# KiCad board LightRail_LPO_1.6T.kicad_pcb (continued)
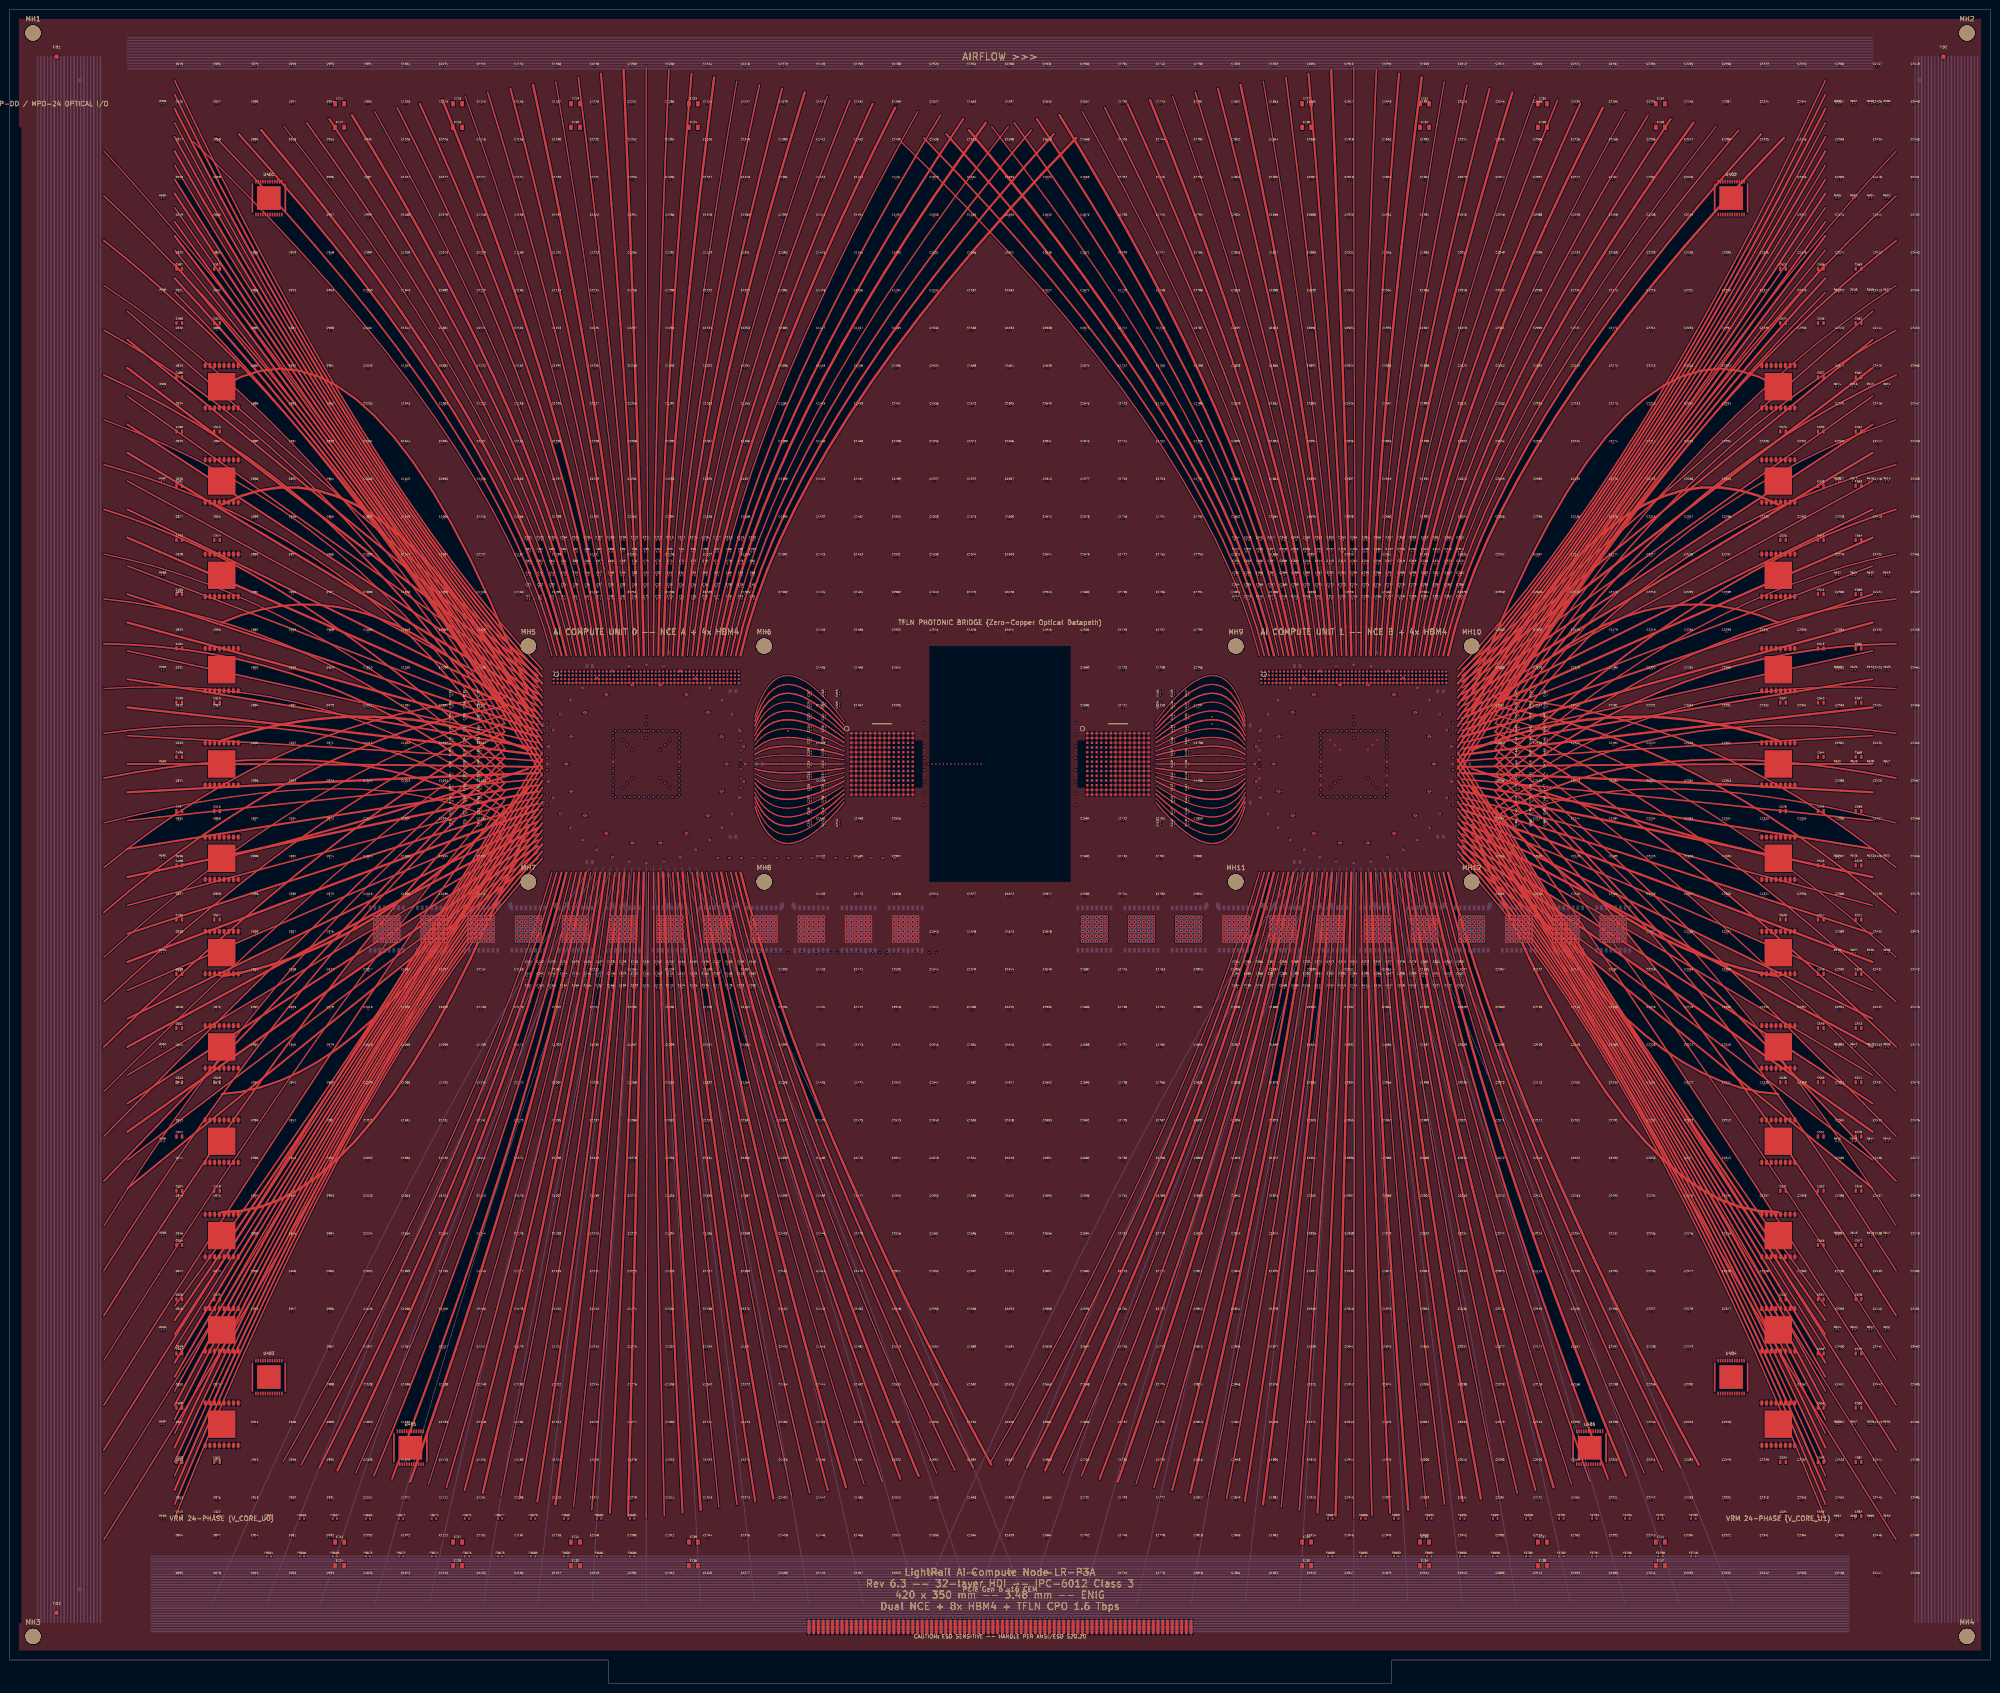
[diagram p0: board, top side]
## Placement (name value [footprint] x y rotation side) (continued)
J49  QSFP-DD  [QSFP_DD_Cage]  8 137.8 0 top
J50  QSFP-DD  [QSFP_DD_Cage]  8 133 0 top
J51  QSFP-DD  [QSFP_DD_Cage]  8 128.2 0 top
J52  QSFP-DD  [QSFP_DD_Cage]  8 123.4 0 top
J53  QSFP-DD  [QSFP_DD_Cage]  8 118.6 0 top
J54  QSFP-DD  [QSFP_DD_Cage]  8 113.8 0 top
J55  QSFP-DD  [QSFP_DD_Cage]  8 109 0 top
J56  QSFP-DD  [QSFP_DD_Cage]  8 104.2 0 top
J57  QSFP-DD  [QSFP_DD_Cage]  8 99.4 0 top
J58  QSFP-DD  [QSFP_DD_Cage]  8 94.6 0 top
J59  QSFP-DD  [QSFP_DD_Cage]  8 89.8 0 top
J60  QSFP-DD  [QSFP_DD_Cage]  8 85 0 top
J61  QSFP-DD  [QSFP_DD_Cage]  8 80.2 0 top
J62  QSFP-DD  [QSFP_DD_Cage]  8 75.4 0 top
J63  QSFP-DD  [QSFP_DD_Cage]  8 70.6 0 top
J64  QSFP-DD  [QSFP_DD_Cage]  8 65.8 0 top
J65  QSFP-DD  [QSFP_DD_Cage]  8 61 0 top
J66  QSFP-DD  [QSFP_DD_Cage]  8 56.2 0 top
J67  QSFP-DD  [QSFP_DD_Cage]  8 51.4 0 top
J68  QSFP-DD  [QSFP_DD_Cage]  8 46.6 0 top
J69  QSFP-DD  [QSFP_DD_Cage]  8 41.8 0 top
J70  QSFP-DD  [QSFP_DD_Cage]  8 37 0 top
J71  QSFP-DD  [QSFP_DD_Cage]  8 32.2 0 top
J72  QSFP-DD  [QSFP_DD_Cage]  8 27.4 0 top
J73  QSFP-DD  [QSFP_DD_Cage]  8 22.6 0 top
MH1  MountingHole  [MountingHole_3.2mm_M3]  5 350 0 top
MH2  MountingHole  [MountingHole_3.2mm_M3]  415 350 0 top
MH3  MountingHole  [MountingHole_3.2mm_M3]  5 10 0 top
MH4  MountingHole  [MountingHole_3.2mm_M3]  415 10 0 top
MH5  MountingHole  [MountingHole_3.2mm_M3]  110 220 0 top
MH6  MountingHole  [MountingHole_3.2mm_M3]  160 220 0 top
MH7  MountingHole  [MountingHole_3.2mm_M3]  110 170 0 top
MH8  MountingHole  [MountingHole_3.2mm_M3]  160 170 0 top
MH9  MountingHole  [MountingHole_3.2mm_M3]  260 220 0 top
MH10  MountingHole  [MountingHole_3.2mm_M3]  310 220 0 top
MH11  MountingHole  [MountingHole_3.2mm_M3]  260 170 0 top
MH12  MountingHole  [MountingHole_3.2mm_M3]  310 170 0 top
R583  1.0x0.5  [R_passive]  32.5 335 0 top
R584  1.0x0.5  [R_passive]  32.5 315 0 top
R585  1.0x0.5  [R_passive]  32.5 295 0 top
R586  1.0x0.5  [R_passive]  32.5 275 0 top
R587  1.0x0.5  [R_passive]  32.5 255 0 top
R588  1.0x0.5  [R_passive]  32.5 235 0 top
R589  1.0x0.5  [R_passive]  32.5 215 0 top
R590  1.0x0.5  [R_passive]  32.5 195 0 top
R591  1.0x0.5  [R_passive]  32.5 175 0 top
R592  1.0x0.5  [R_passive]  32.5 155 0 top
R593  1.0x0.5  [R_passive]  32.5 135 0 top
R594  1.0x0.5  [R_passive]  32.5 115 0 top
R595  1.0x0.5  [R_passive]  32.5 95 0 top
R596  1.0x0.5  [R_passive]  32.5 75 0 top
R597  1.0x0.5  [R_passive]  32.5 55 0 top
R598  1.0x0.5  [R_passive]  32.5 35 0 top
R599  1.0x0.5  [R_passive]  398 335 0 top
R600  1.0x0.5  [R_passive]  394.5 335 0 top
R601  1.0x0.5  [R_passive]  391 335 0 top
R602  1.0x0.5  [R_passive]  387.5 335 0 top
R603  1.0x0.5  [R_passive]  398 315 0 top
R604  1.0x0.5  [R_passive]  394.5 315 0 top
R605  1.0x0.5  [R_passive]  391 315 0 top
R606  1.0x0.5  [R_passive]  387.5 315 0 top
R607  1.0x0.5  [R_passive]  398 295 0 top
R608  1.0x0.5  [R_passive]  394.5 295 0 top
R609  1.0x0.5  [R_passive]  391 295 0 top
R610  1.0x0.5  [R_passive]  387.5 295 0 top
R611  1.0x0.5  [R_passive]  398 275 0 top
R612  1.0x0.5  [R_passive]  394.5 275 0 top
R613  1.0x0.5  [R_passive]  391 275 0 top
R614  1.0x0.5  [R_passive]  387.5 275 0 top
R615  1.0x0.5  [R_passive]  398 255 0 top
R616  1.0x0.5  [R_passive]  394.5 255 0 top
R617  1.0x0.5  [R_passive]  391 255 0 top
R618  1.0x0.5  [R_passive]  387.5 255 0 top
R619  1.0x0.5  [R_passive]  398 235 0 top
R620  1.0x0.5  [R_passive]  394.5 235 0 top
R621  1.0x0.5  [R_passive]  391 235 0 top
R622  1.0x0.5  [R_passive]  387.5 235 0 top
R623  1.0x0.5  [R_passive]  398 215 0 top
R624  1.0x0.5  [R_passive]  394.5 215 0 top
R625  1.0x0.5  [R_passive]  391 215 0 top
R626  1.0x0.5  [R_passive]  387.5 215 0 top
R627  1.0x0.5  [R_passive]  398 195 0 top
R628  1.0x0.5  [R_passive]  394.5 195 0 top
R629  1.0x0.5  [R_passive]  391 195 0 top
R630  1.0x0.5  [R_passive]  387.5 195 0 top
R631  1.0x0.5  [R_passive]  398 175 0 top
R632  1.0x0.5  [R_passive]  394.5 175 0 top
R633  1.0x0.5  [R_passive]  391 175 0 top
R634  1.0x0.5  [R_passive]  387.5 175 0 top
R635  1.0x0.5  [R_passive]  398 155 0 top
R636  1.0x0.5  [R_passive]  394.5 155 0 top
R637  1.0x0.5  [R_passive]  391 155 0 top
R638  1.0x0.5  [R_passive]  387.5 155 0 top
R639  1.0x0.5  [R_passive]  398 135 0 top
R640  1.0x0.5  [R_passive]  394.5 135 0 top
R641  1.0x0.5  [R_passive]  391 135 0 top
R642  1.0x0.5  [R_passive]  387.5 135 0 top
R643  1.0x0.5  [R_passive]  398 115 0 top
R644  1.0x0.5  [R_passive]  394.5 115 0 top
R645  1.0x0.5  [R_passive]  391 115 0 top
R646  1.0x0.5  [R_passive]  387.5 115 0 top
R647  1.0x0.5  [R_passive]  398 95 0 top
R648  1.0x0.5  [R_passive]  394.5 95 0 top
R649  1.0x0.5  [R_passive]  391 95 0 top
R650  1.0x0.5  [R_passive]  387.5 95 0 top
R651  1.0x0.5  [R_passive]  398 75 0 top
R652  1.0x0.5  [R_passive]  394.5 75 0 top
R653  1.0x0.5  [R_passive]  391 75 0 top
R654  1.0x0.5  [R_passive]  387.5 75 0 top
R655  1.0x0.5  [R_passive]  398 55 0 top
R656  1.0x0.5  [R_passive]  394.5 55 0 top
R657  1.0x0.5  [R_passive]  391 55 0 top
R658  1.0x0.5  [R_passive]  387.5 55 0 top
R659  1.0x0.5  [R_passive]  398 35 0 top
R660  1.0x0.5  [R_passive]  394.5 35 0 top
R661  1.0x0.5  [R_passive]  391 35 0 top
R662  1.0x0.5  [R_passive]  387.5 35 0 top
U101  NCE_BGA2500_HBM4  [NCE_BGA2500_40x40mm]  135 195 0 top
U102  TFLN_PIC_8CH_200G  [TFLN_PIC_17x17mm]  185 195 0 top
U103  HBM4_12Hi_48GB  [HBM4_Stack_11x11mm]  105 220 0 top
U104  HBM4_12Hi_48GB  [HBM4_Stack_11x11mm]  105 170 0 top
U105  HBM4_12Hi_48GB  [HBM4_Stack_11x11mm]  165 220 0 top
U106  HBM4_12Hi_48GB  [HBM4_Stack_11x11mm]  165 170 0 top
U201  NCE_BGA2500_HBM4  [NCE_BGA2500_40x40mm]  285 195 0 top
U202  TFLN_PIC_8CH_200G  [TFLN_PIC_17x17mm]  235 195 0 top
U203  HBM4_12Hi_48GB  [HBM4_Stack_11x11mm]  255 220 0 top
U204  HBM4_12Hi_48GB  [HBM4_Stack_11x11mm]  255 170 0 top
U205  HBM4_12Hi_48GB  [HBM4_Stack_11x11mm]  315 220 0 top
U206  HBM4_12Hi_48GB  [HBM4_Stack_11x11mm]  315 170 0 top
U302  ISL99390  [DrMOS_PowerPAK_8x8mm]  45 275 0 top
U303  ISL99390  [DrMOS_PowerPAK_8x8mm]  45 255 0 top
U304  ISL99390  [DrMOS_PowerPAK_8x8mm]  45 235 0 top
U305  ISL99390  [DrMOS_PowerPAK_8x8mm]  45 215 0 top
U306  ISL99390  [DrMOS_PowerPAK_8x8mm]  45 195 0 top
U307  ISL99390  [DrMOS_PowerPAK_8x8mm]  45 175 0 top
U308  ISL99390  [DrMOS_PowerPAK_8x8mm]  45 155 0 top
U309  ISL99390  [DrMOS_PowerPAK_8x8mm]  45 135 0 top
U310  ISL99390  [DrMOS_PowerPAK_8x8mm]  45 115 0 top
U311  ISL99390  [DrMOS_PowerPAK_8x8mm]  45 95 0 top
U312  ISL99390  [DrMOS_PowerPAK_8x8mm]  45 75 0 top
U313  ISL99390  [DrMOS_PowerPAK_8x8mm]  45 55 0 top
U314  ISL99390  [DrMOS_PowerPAK_8x8mm]  375 275 0 top
U315  ISL99390  [DrMOS_PowerPAK_8x8mm]  375 255 0 top
U316  ISL99390  [DrMOS_PowerPAK_8x8mm]  375 235 0 top
U317  ISL99390  [DrMOS_PowerPAK_8x8mm]  375 215 0 top
U318  ISL99390  [DrMOS_PowerPAK_8x8mm]  375 195 0 top
U319  ISL99390  [DrMOS_PowerPAK_8x8mm]  375 175 0 top
U320  ISL99390  [DrMOS_PowerPAK_8x8mm]  375 155 0 top
U321  ISL99390  [DrMOS_PowerPAK_8x8mm]  375 135 0 top
U322  ISL99390  [DrMOS_PowerPAK_8x8mm]  375 115 0 top
U323  ISL99390  [DrMOS_PowerPAK_8x8mm]  375 95 0 top
U324  ISL99390  [DrMOS_PowerPAK_8x8mm]  375 75 0 top
U325  ISL99390  [DrMOS_PowerPAK_8x8mm]  375 55 0 top
U326  ISL99390  [DrMOS_PowerPAK_8x8mm#2]  80 160 0 bottom
U327  ISL99390  [DrMOS_PowerPAK_8x8mm#2]  90 160 0 bottom
U328  ISL99390  [DrMOS_PowerPAK_8x8mm#2]  100 160 0 bottom
U329  ISL99390  [DrMOS_PowerPAK_8x8mm#2]  110 160 0 bottom
U330  ISL99390  [DrMOS_PowerPAK_8x8mm#2]  120 160 0 bottom
U331  ISL99390  [DrMOS_PowerPAK_8x8mm#2]  130 160 0 bottom
U332  ISL99390  [DrMOS_PowerPAK_8x8mm#2]  140 160 0 bottom
U333  ISL99390  [DrMOS_PowerPAK_8x8mm#2]  150 160 0 bottom
U334  ISL99390  [DrMOS_PowerPAK_8x8mm#2]  160 160 0 bottom
U335  ISL99390  [DrMOS_PowerPAK_8x8mm#2]  170 160 0 bottom
U336  ISL99390  [DrMOS_PowerPAK_8x8mm#2]  180 160 0 bottom
U337  ISL99390  [DrMOS_PowerPAK_8x8mm#2]  190 160 0 bottom
U338  ISL99390  [DrMOS_PowerPAK_8x8mm#2]  230 160 0 bottom
U339  ISL99390  [DrMOS_PowerPAK_8x8mm#2]  240 160 0 bottom
U340  ISL99390  [DrMOS_PowerPAK_8x8mm#2]  250 160 0 bottom
U341  ISL99390  [DrMOS_PowerPAK_8x8mm#2]  260 160 0 bottom
U342  ISL99390  [DrMOS_PowerPAK_8x8mm#2]  270 160 0 bottom
U343  ISL99390  [DrMOS_PowerPAK_8x8mm#2]  280 160 0 bottom
U344  ISL99390  [DrMOS_PowerPAK_8x8mm#2]  290 160 0 bottom
U345  ISL99390  [DrMOS_PowerPAK_8x8mm#2]  300 160 0 bottom
U346  ISL99390  [DrMOS_PowerPAK_8x8mm#2]  310 160 0 bottom
U347  ISL99390  [DrMOS_PowerPAK_8x8mm#2]  320 160 0 bottom
U348  ISL99390  [DrMOS_PowerPAK_8x8mm#2]  330 160 0 bottom
U349  ISL99390  [DrMOS_PowerPAK_8x8mm#2]  340 160 0 bottom
U401  ISL69260  [QFN-48]  55 315 0 top
U402  ISL69260  [QFN-48]  365 315 0 top
U403  ISL69260  [QFN-48]  55 65 0 top
U404  ISL69260  [QFN-48]  365 65 0 top
U405  ISL69260  [QFN-48]  85 50 0 top
U406  ISL69260  [QFN-48]  335 50 0 top

## Library data of the parts
U103-U106 U203-U206 = -: DNP: DNP

## Footprints (pads in the part's own frame, mm; a bottom-side part is the same pattern mirrored in y, then rotated)
C_0402
  rect 0.3x0.3 smd: 1(-0.3,0) 2(0.3,0)
C_0805
  rect 0.6x0.8 smd: 1(-0.6,0) 2(0.6,0)
C_01005
  rect 0.14x0.14 smd rot 140: 1(-0.12,0) 2(0.12,0)
C_01005#2
  rect 0.14x0.14 smd: 1(-0.12,0) 2(0.12,0)
C_01005#3
  rect 0.14x0.14 smd rot 170: 1(-0.12,0) 2(0.12,0)
C_01005#4
  rect 0.14x0.14 smd rot 160: 1(-0.12,0) 2(0.12,0)
C_01005#5
  rect 0.14x0.14 smd rot 150: 1(-0.12,0) 2(0.12,0)
C_01005#6
  rect 0.14x0.14 smd rot 130: 1(-0.12,0) 2(0.12,0)
C_01005#7
  rect 0.14x0.14 smd rot 120: 1(-0.12,0) 2(0.12,0)
C_01005#8
  rect 0.14x0.14 smd rot 110: 1(-0.12,0) 2(0.12,0)
C_01005#9
  rect 0.14x0.14 smd rot 100: 1(-0.12,0) 2(0.12,0)
C_01005#10
  rect 0.14x0.14 smd rot 80: 1(-0.12,0) 2(0.12,0)
C_01005#11
  rect 0.14x0.14 smd rot 70: 1(-0.12,0) 2(0.12,0)
C_01005#12
  rect 0.14x0.14 smd rot 60: 1(-0.12,0) 2(0.12,0)
C_01005#13
  rect 0.14x0.14 smd rot 50: 1(-0.12,0) 2(0.12,0)
C_01005#14
  rect 0.14x0.14 smd rot 40: 1(-0.12,0) 2(0.12,0)
C_01005#15
  rect 0.14x0.14 smd rot 30: 1(-0.12,0) 2(0.12,0)
C_01005#16
  rect 0.14x0.14 smd rot 20: 1(-0.12,0) 2(0.12,0)
C_01005#17
  rect 0.14x0.14 smd rot 10: 1(-0.12,0) 2(0.12,0)
C_passive
  rect 0.35x0.25 smd: 1(-0.3,0) 2(0.3,0)
C_passive#5
  rect 0.25x0.35 smd: 1(-0.3,0) 2(0.3,0)
C_passive#2
  rect 0.15x0.21 smd: 1(-0.18,0) 2(0.18,0)
C_passive#3
  rect 0.5x0.875 smd: 1(-0.6,0) 2(0.6,0)
C_passive#4
  rect 0.8x1.12 smd: 1(-0.96,0) 2(0.96,0)
C_Tantalum_3528
  rect 0.8x1.2 smd: 1(-1.2,0) 2(1.2,0)
DrMOS_PowerPAK_8x8mm
  rect 0.6x1 smd: 1(-3.5,4.5) 2(-2.5,4.5) 3(-1.5,4.5) 4(-0.5,4.5) 5(0.5,4.5) 6(1.5,4.5) 7(2.5,4.5) 8(3.5,4.5) 9(-3.5,-4.5) 10(-2.5,-4.5) 11(-1.5,-4.5) 12(-0.5,-4.5) 13(0.5,-4.5) 14(1.5,-4.5) 15(2.5,-4.5) 16(3.5,-4.5)
  rect 5.8x5.8 smd: EP(0,0)
DrMOS_PowerPAK_8x8mm#2
  rect 0.6x1 smd: 1(-3.5,-4.5) 2(-2.5,-4.5) 3(-1.5,-4.5) 4(-0.5,-4.5) 5(0.5,-4.5) 6(1.5,-4.5) 7(2.5,-4.5) 8(3.5,-4.5) 9(-3.5,4.5) 10(-2.5,4.5) 11(-1.5,4.5) 12(-0.5,4.5) 13(0.5,4.5) 14(1.5,4.5) 15(2.5,4.5) 16(3.5,4.5)
  rect 5.8x5.8 smd: EP(0,0)
FB_passive
  rect 0.4x0.56 smd: 1(-0.48,0) 2(0.48,0)
Fiducial_1mm_Mask2.5mm
  round 1 smd: (0,0)
MountingHole_3.2mm_M3
  round 3.2 hole 3.2 unplated: (0,0)
NCE_BGA2500_40x40mm
  rrect 0.45x0.45 smd: A1(-19.6,19.6) A2(-18.8,19.6) A3(-18,19.6) A4(-17.2,19.6) A5(-16.4,19.6) A6(-15.6,19.6) A7(-14.8,19.6) A8(-14,19.6) A9(-13.2,19.6) A10(-12.4,19.6) A11(-11.6,19.6) A12(-10.8,19.6) A13(-10,19.6) A14(-9.2,19.6) A15(-8.4,19.6) A16(-7.6,19.6) A17(-6.8,19.6) A18(-6,19.6) A19(-5.2,19.6) A20(-4.4,19.6) A21(-3.6,19.6) A22(-2.8,19.6) A23(-2,19.6) A24(-1.2,19.6) A25(-0.4,19.6) A26(0.4,19.6) A27(1.2,19.6) A28(2,19.6) A29(2.8,19.6) A30(3.6,19.6) A31(4.4,19.6) A32(5.2,19.6) A33(6,19.6) A34(6.8,19.6) A35(7.6,19.6) A36(8.4,19.6) A37(9.2,19.6) A38(10,19.6) A39(10.8,19.6) A40(11.6,19.6) A41(12.4,19.6) A42(13.2,19.6) A43(14,19.6) A44(14.8,19.6) A45(15.6,19.6) A46(16.4,19.6) A47(17.2,19.6) A48(18,19.6) A49(18.8,19.6) A50(19.6,19.6) B1(-19.6,18.8) B2(-18.8,18.8) B3(-18,18.8) B4(-17.2,18.8) B5(-16.4,18.8) B6(-15.6,18.8) B7(-14.8,18.8) B8(-14,18.8) B9(-13.2,18.8) B10(-12.4,18.8) B11(-11.6,18.8) B12(-10.8,18.8) B13(-10,18.8) B14(-9.2,18.8) B15(-8.4,18.8) B16(-7.6,18.8) B17(-6.8,18.8) B18(-6,18.8) B19(-5.2,18.8) B20(-4.4,18.8) B21(-3.6,18.8) B22(-2.8,18.8) B23(-2,18.8) B24(-1.2,18.8) B25(-0.4,18.8) B26(0.4,18.8) B27(1.2,18.8) B28(2,18.8) B29(2.8,18.8) B30(3.6,18.8) B31(4.4,18.8) B32(5.2,18.8) B33(6,18.8) B34(6.8,18.8) B35(7.6,18.8) B36(8.4,18.8) B37(9.2,18.8) B38(10,18.8) B39(10.8,18.8) B40(11.6,18.8) B41(12.4,18.8) B42(13.2,18.8) B43(14,18.8) B44(14.8,18.8) B45(15.6,18.8) B46(16.4,18.8) B47(17.2,18.8) B48(18,18.8) B49(18.8,18.8) B50(19.6,18.8) C1(-19.6,18) C2(-18.8,18) C3(-18,18) C4(-17.2,18) C5(-16.4,18) C6(-15.6,18) C7(-14.8,18) C8(-14,18) C9(-13.2,18) C10(-12.4,18) C11(-11.6,18) C12(-10.8,18) C13(-10,18) C14(-9.2,18) C15(-8.4,18) C16(-7.6,18) C17(-6.8,18) C18(-6,18) C19(-5.2,18) C20(-4.4,18) C21(-3.6,18) C22(-2.8,18) C23(-2,18) C24(-1.2,18) C25(-0.4,18) C26(0.4,18) C27(1.2,18) C28(2,18) C29(2.8,18) C30(3.6,18) C31(4.4,18) C32(5.2,18) C33(6,18) C34(6.8,18) C35(7.6,18) C36(8.4,18) C37(9.2,18) C38(10,18) C39(10.8,18) C40(11.6,18) C41(12.4,18) C42(13.2,18) C43(14,18) C44(14.8,18) C45(15.6,18) C46(16.4,18) C47(17.2,18) C48(18,18) C49(18.8,18) C50(19.6,18) D1(-19.6,17.2) D2(-18.8,17.2) D3(-18,17.2) D4(-17.2,17.2) D5(-16.4,17.2) D6(-15.6,17.2) D7(-14.8,17.2) D8(-14,17.2) D9(-13.2,17.2) D10(-12.4,17.2) D11(-11.6,17.2) D12(-10.8,17.2) D13(-10,17.2) D14(-9.2,17.2) D15(-8.4,17.2) D16(-7.6,17.2) D17(-6.8,17.2) D18(-6,17.2) D19(-5.2,17.2) D20(-4.4,17.2) D21(-3.6,17.2) D22(-2.8,17.2) D23(-2,17.2) D24(-1.2,17.2) D25(-0.4,17.2) D26(0.4,17.2) D27(1.2,17.2) D28(2,17.2) D29(2.8,17.2) D30(3.6,17.2) D31(4.4,17.2) D32(5.2,17.2) D33(6,17.2) D34(6.8,17.2) D35(7.6,17.2) D36(8.4,17.2) D37(9.2,17.2) D38(10,17.2) D39(10.8,17.2) D40(11.6,17.2) D41(12.4,17.2) D42(13.2,17.2) D43(14,17.2) D44(14.8,17.2) D45(15.6,17.2) D46(16.4,17.2) D47(17.2,17.2) D48(18,17.2) D49(18.8,17.2) D50(19.6,17.2)
PCIe_CEM_x16_164pin
  rect 0.6x3 smd: A1(-40.5,0) A2(-39.5,0) A3(-38.5,0) A4(-37.5,0) A5(-36.5,0) A6(-35.5,0) A7(-34.5,0) A8(-33.5,0) A9(-32.5,0) A10(-31.5,0) A11(-30.5,0) A12(-29.5,0) A13(-28.5,0) A14(-27.5,0) A15(-26.5,0) A16(-25.5,0) A17(-24.5,0) A18(-23.5,0) A19(-22.5,0) A20(-21.5,0) A21(-20.5,0) A22(-19.5,0) A23(-18.5,0) A24(-17.5,0) A25(-16.5,0) A26(-15.5,0) A27(-14.5,0) A28(-13.5,0) A29(-12.5,0) A30(-11.5,0) A31(-10.5,0) A32(-9.5,0) A33(-8.5,0) A34(-7.5,0) A35(-6.5,0) A36(-5.5,0) A37(-4.5,0) A38(-3.5,0) A39(-2.5,0) A40(-1.5,0) A41(-0.5,0) A42(0.5,0) A43(1.5,0) A44(2.5,0) A45(3.5,0) A46(4.5,0) A47(5.5,0) A48(6.5,0) A49(7.5,0) A50(8.5,0) A51(9.5,0) A52(10.5,0) A53(11.5,0) A54(12.5,0) A55(13.5,0) A56(14.5,0) A57(15.5,0) A58(16.5,0) A59(17.5,0) A60(18.5,0) A61(19.5,0) A62(20.5,0) A63(21.5,0) A64(22.5,0) A65(23.5,0) A66(24.5,0) A67(25.5,0) A68(26.5,0) A69(27.5,0) A70(28.5,0) A71(29.5,0) A72(30.5,0) A73(31.5,0) A74(32.5,0) A75(33.5,0) A76(34.5,0) A77(35.5,0) A78(36.5,0) A79(37.5,0) A80(38.5,0) A81(39.5,0) A82(40.5,0)
  rect 0.6x3 smd far side: B1(-40.5,0) B2(-39.5,0) B3(-38.5,0) B4(-37.5,0) B5(-36.5,0) B6(-35.5,0) B7(-34.5,0) B8(-33.5,0) B9(-32.5,0) B10(-31.5,0) B11(-30.5,0) B12(-29.5,0) B13(-28.5,0) B14(-27.5,0) B15(-26.5,0) B16(-25.5,0) B17(-24.5,0) B18(-23.5,0) B19(-22.5,0) B20(-21.5,0) B21(-20.5,0) B22(-19.5,0) B23(-18.5,0) B24(-17.5,0) B25(-16.5,0) B26(-15.5,0) B27(-14.5,0) B28(-13.5,0) B29(-12.5,0) B30(-11.5,0) B31(-10.5,0) B32(-9.5,0) B33(-8.5,0) B34(-7.5,0) B35(-6.5,0) B36(-5.5,0) B37(-4.5,0) B38(-3.5,0) B39(-2.5,0) B40(-1.5,0) B41(-0.5,0) B42(0.5,0) B43(1.5,0) B44(2.5,0) B45(3.5,0) B46(4.5,0) B47(5.5,0) B48(6.5,0) B49(7.5,0) B50(8.5,0) B51(9.5,0) B52(10.5,0) B53(11.5,0) B54(12.5,0) B55(13.5,0) B56(14.5,0) B57(15.5,0) B58(16.5,0) B59(17.5,0) B60(18.5,0) B61(19.5,0) B62(20.5,0) B63(21.5,0) B64(22.5,0) B65(23.5,0) B66(24.5,0) B67(25.5,0) B68(26.5,0) B69(27.5,0) B70(28.5,0) B71(29.5,0) B72(30.5,0) B73(31.5,0) B74(32.5,0) B75(33.5,0) B76(34.5,0) B77(35.5,0) B78(36.5,0) B79(37.5,0) B80(38.5,0) B81(39.5,0) B82(40.5,0)
QFN-48
  rect 0.3x0.8 smd: 1(-3.5,2.75) 2(-3.5,2.25) 3(-3.5,1.75) 4(-3.5,1.25) 5(-3.5,0.75) 6(-3.5,0.25) 7(-3.5,-0.25) 8(-3.5,-0.75) 9(-3.5,-1.25) 10(-3.5,-1.75) 11(-3.5,-2.25) 12(-3.5,-2.75) 13(-2.75,-3.5) 14(-2.25,-3.5) 15(-1.75,-3.5) 16(-1.25,-3.5) 17(-0.75,-3.5) 18(-0.25,-3.5) 19(0.25,-3.5) 20(0.75,-3.5) 21(1.25,-3.5) 22(1.75,-3.5) 23(2.25,-3.5) 24(2.75,-3.5) 25(3.5,-2.75) 26(3.5,-2.25) 27(3.5,-1.75) 28(3.5,-1.25) 29(3.5,-0.75) 30(3.5,-0.25) 31(3.5,0.25) 32(3.5,0.75) 33(3.5,1.25) 34(3.5,1.75) 35(3.5,2.25) 36(3.5,2.75) 37(2.75,3.5) 38(2.25,3.5) 39(1.75,3.5) 40(1.25,3.5) 41(0.75,3.5) 42(0.25,3.5) 43(-0.25,3.5) 44(-0.75,3.5) 45(-1.25,3.5) 46(-1.75,3.5) 47(-2.25,3.5) 48(-2.75,3.5)
  rect 5x5 smd: EP(0,0)
R_passive
  rect 0.25x0.35 smd: 1(-0.3,0) 2(0.3,0)
TFLN_PIC_17x17mm
  rrect 0.5x0.5 smd: A1(-6.5,6.5) A2(-5.5,6.5) A3(-4.5,6.5) A4(-3.5,6.5) A5(-2.5,6.5) A6(-1.5,6.5) A7(-0.5,6.5) A8(0.5,6.5) A9(1.5,6.5) A10(2.5,6.5) A11(3.5,6.5) A12(4.5,6.5) A13(5.5,6.5) A14(6.5,6.5) B1(-6.5,5.5) B2(-5.5,5.5) B3(-4.5,5.5) B4(-3.5,5.5) B5(-2.5,5.5) B6(-1.5,5.5) B7(-0.5,5.5) B8(0.5,5.5) B9(1.5,5.5) B10(2.5,5.5) B11(3.5,5.5) B12(4.5,5.5) B13(5.5,5.5) B14(6.5,5.5) C1(-6.5,4.5) C2(-5.5,4.5) C3(-4.5,4.5) C4(-3.5,4.5) C5(-2.5,4.5) C6(-1.5,4.5) C7(-0.5,4.5) C8(0.5,4.5) C9(1.5,4.5) C10(2.5,4.5) C11(3.5,4.5) C12(4.5,4.5) C13(5.5,4.5) C14(6.5,4.5) D1(-6.5,3.5) D2(-5.5,3.5) D3(-4.5,3.5) D4(-3.5,3.5) D5(-2.5,3.5) D6(-1.5,3.5) D7(-0.5,3.5) D8(0.5,3.5) D9(1.5,3.5) D10(2.5,3.5) D11(3.5,3.5) D12(4.5,3.5) D13(5.5,3.5) D14(6.5,3.5) E1(-6.5,2.5) E2(-5.5,2.5) E3(-4.5,2.5) E4(-3.5,2.5) E5(-2.5,2.5) E6(-1.5,2.5) E7(-0.5,2.5) E8(0.5,2.5) E9(1.5,2.5) E10(2.5,2.5) E11(3.5,2.5) E12(4.5,2.5) E13(5.5,2.5) E14(6.5,2.5) F1(-6.5,1.5) F2(-5.5,1.5) F3(-4.5,1.5) F4(-3.5,1.5) F5(-2.5,1.5) F6(-1.5,1.5) F7(-0.5,1.5) F8(0.5,1.5) F9(1.5,1.5) F10(2.5,1.5) F11(3.5,1.5) F12(4.5,1.5) F13(5.5,1.5) F14(6.5,1.5) G1(-6.5,0.5) G2(-5.5,0.5) G3(-4.5,0.5) G4(-3.5,0.5) G5(-2.5,0.5) G6(-1.5,0.5) G7(-0.5,0.5) G8(0.5,0.5) G9(1.5,0.5) G10(2.5,0.5) G11(3.5,0.5) G12(4.5,0.5) G13(5.5,0.5) G14(6.5,0.5) H1(-6.5,-0.5) H2(-5.5,-0.5) H3(-4.5,-0.5) H4(-3.5,-0.5) H5(-2.5,-0.5) H6(-1.5,-0.5) H7(-0.5,-0.5) H8(0.5,-0.5) H9(1.5,-0.5) H10(2.5,-0.5) H11(3.5,-0.5) H12(4.5,-0.5) H13(5.5,-0.5) H14(6.5,-0.5) I1(-6.5,-1.5) I2(-5.5,-1.5) I3(-4.5,-1.5) I4(-3.5,-1.5) I5(-2.5,-1.5) I6(-1.5,-1.5) I7(-0.5,-1.5) I8(0.5,-1.5) I9(1.5,-1.5) I10(2.5,-1.5) I11(3.5,-1.5) I12(4.5,-1.5) I13(5.5,-1.5) I14(6.5,-1.5) J1(-6.5,-2.5) J2(-5.5,-2.5) J3(-4.5,-2.5) J4(-3.5,-2.5) J5(-2.5,-2.5) J6(-1.5,-2.5) J7(-0.5,-2.5) J8(0.5,-2.5) J9(1.5,-2.5) J10(2.5,-2.5) J11(3.5,-2.5) J12(4.5,-2.5) J13(5.5,-2.5) J14(6.5,-2.5) K1(-6.5,-3.5) K2(-5.5,-3.5) K3(-4.5,-3.5) K4(-3.5,-3.5) K5(-2.5,-3.5) K6(-1.5,-3.5) K7(-0.5,-3.5) K8(0.5,-3.5) K9(1.5,-3.5) K10(2.5,-3.5) K11(3.5,-3.5) K12(4.5,-3.5) K13(5.5,-3.5) K14(6.5,-3.5) L1(-6.5,-4.5) L2(-5.5,-4.5) L3(-4.5,-4.5) L4(-3.5,-4.5) L5(-2.5,-4.5) L6(-1.5,-4.5) L7(-0.5,-4.5) L8(0.5,-4.5) L9(1.5,-4.5) L10(2.5,-4.5) L11(3.5,-4.5) L12(4.5,-4.5) L13(5.5,-4.5) L14(6.5,-4.5) M1(-6.5,-5.5) M2(-5.5,-5.5) M3(-4.5,-5.5) M4(-3.5,-5.5) M5(-2.5,-5.5) M6(-1.5,-5.5) M7(-0.5,-5.5) M8(0.5,-5.5) M9(1.5,-5.5) M10(2.5,-5.5) M11(3.5,-5.5) M12(4.5,-5.5) M13(5.5,-5.5) M14(6.5,-5.5) N1(-6.5,-6.5) N2(-5.5,-6.5) N3(-4.5,-6.5) N4(-3.5,-6.5) N5(-2.5,-6.5) N6(-1.5,-6.5) N7(-0.5,-6.5) N8(0.5,-6.5) N9(1.5,-6.5) N10(2.5,-6.5) N11(3.5,-6.5) N12(4.5,-6.5) N13(5.5,-6.5) N14(6.5,-6.5)

## Nets
